# Altium PCB R2C2_Mini.PcbDoc (part 1 of 3) (continued)
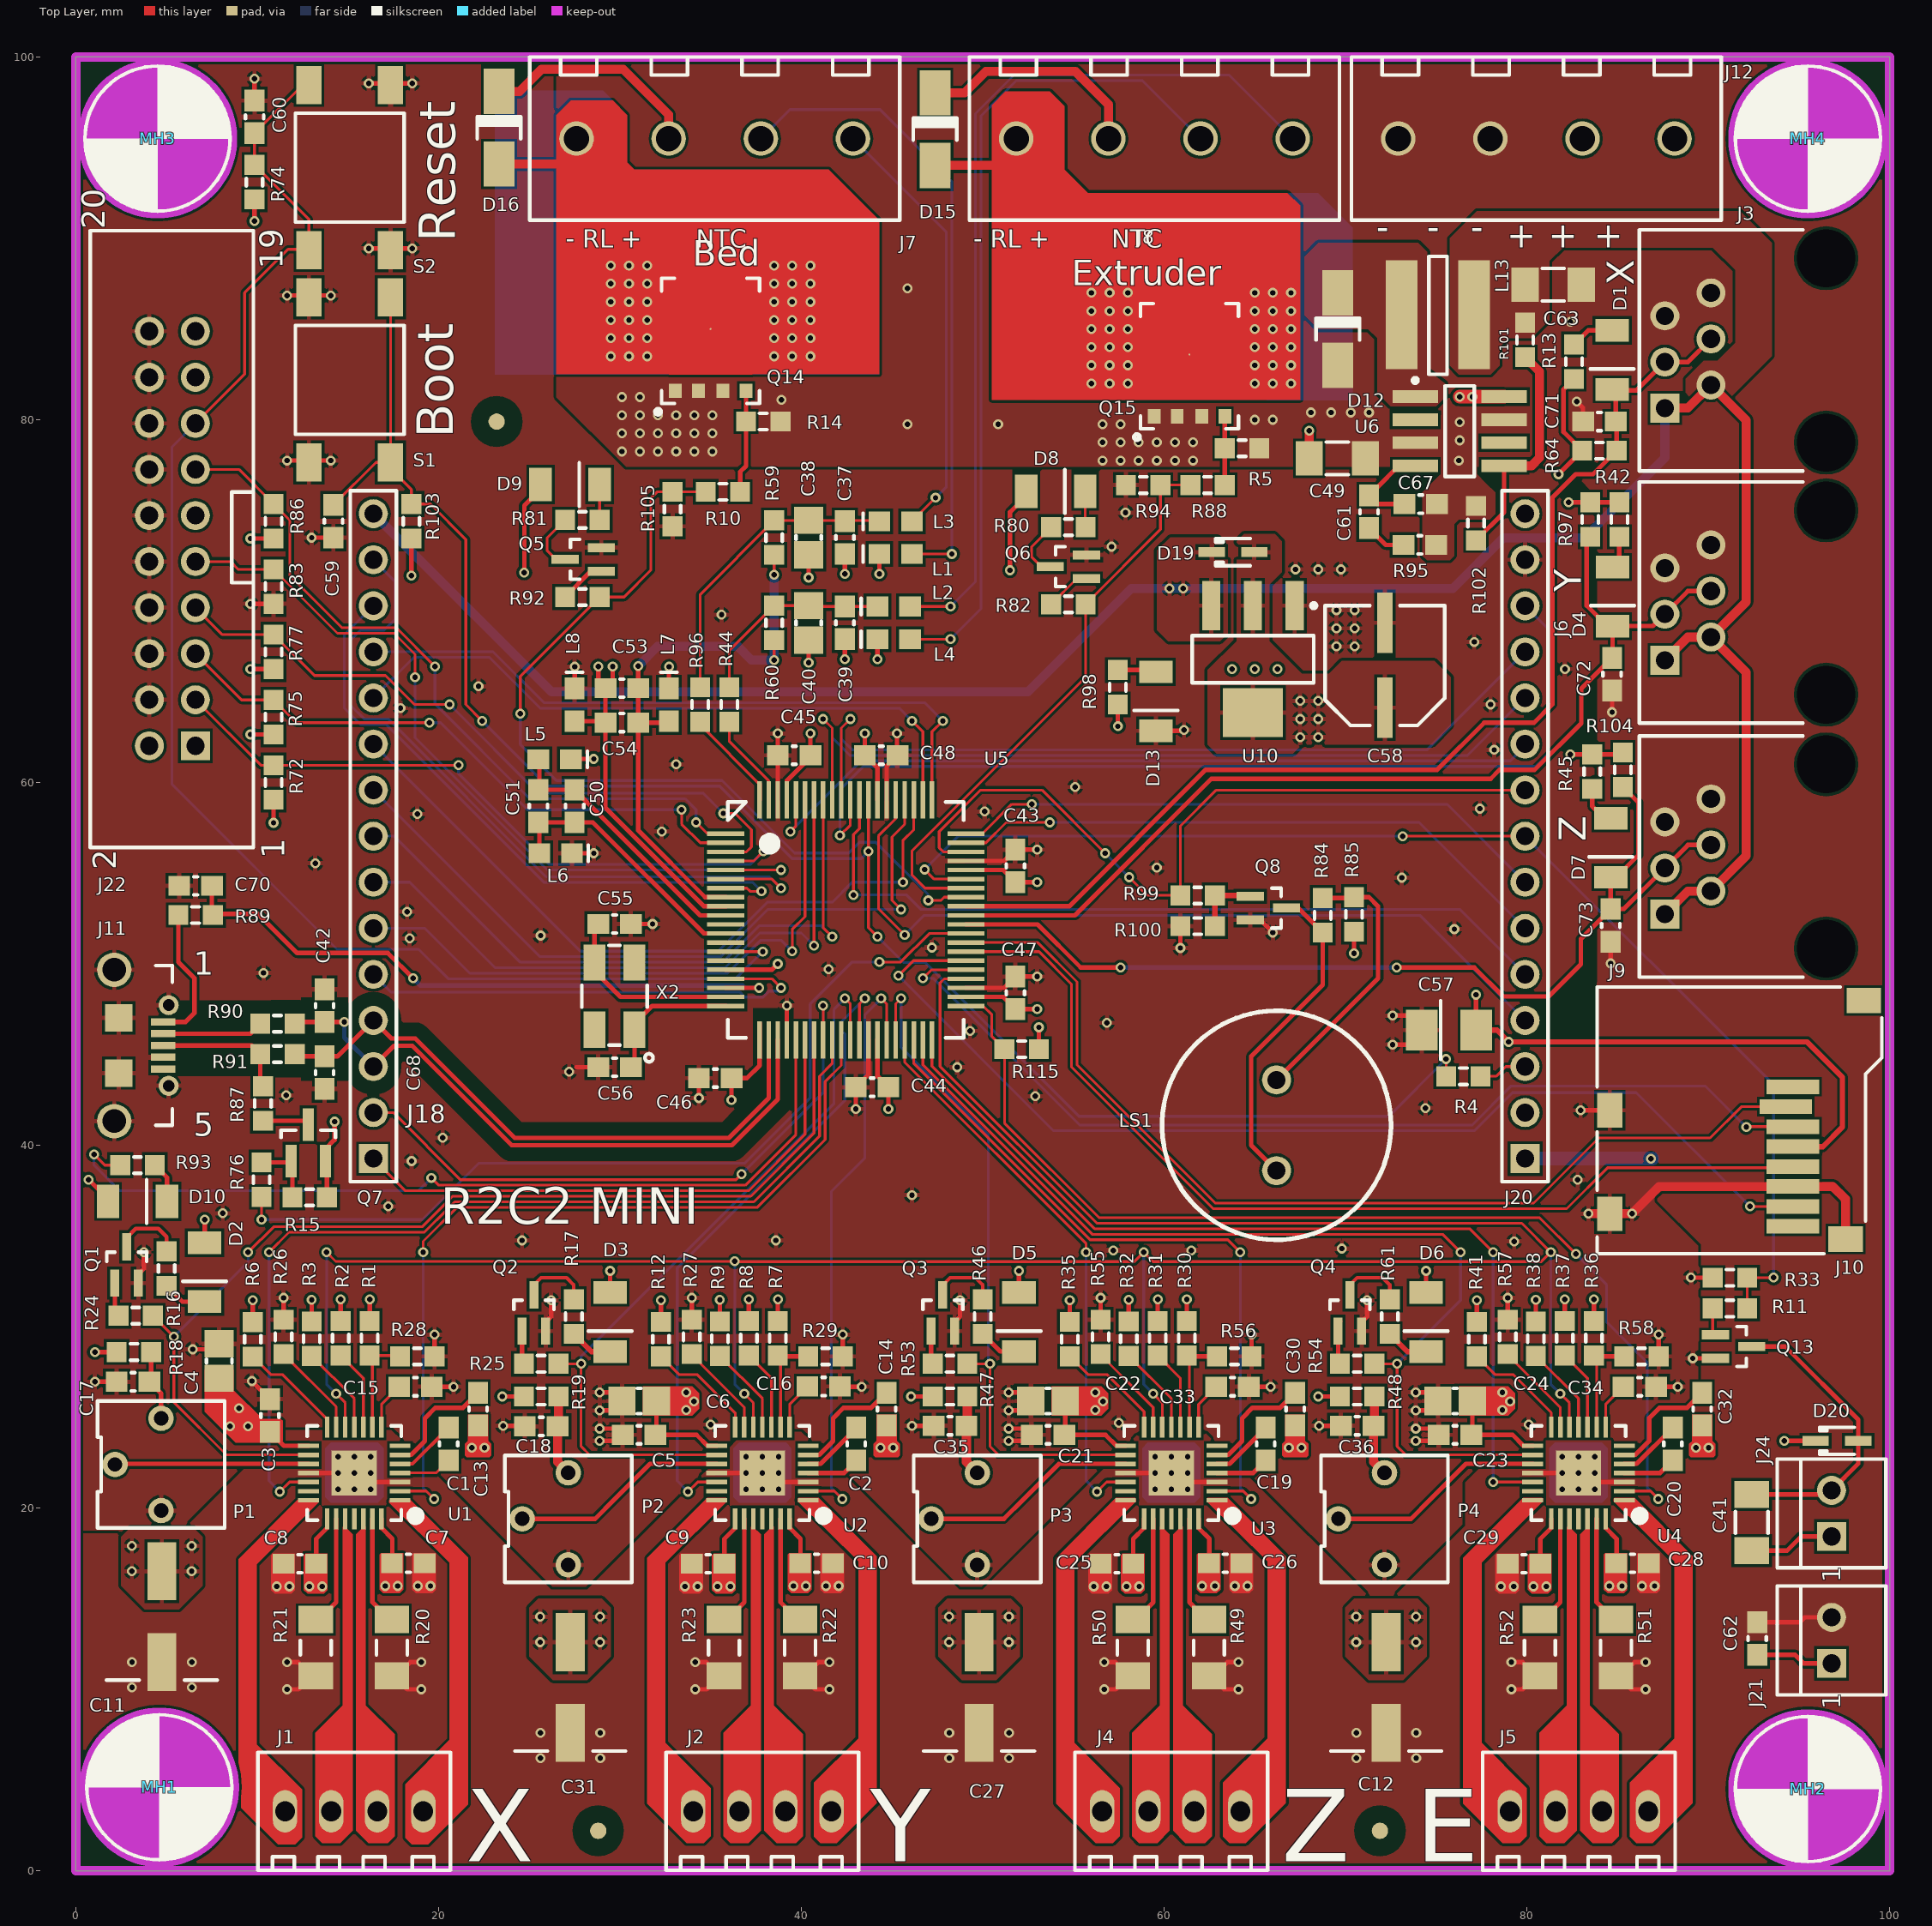
[diagram p0: Top Layer view]
## Design rules (kind name [scope] priority, off if disabled: settings)
AssemblyTestPointUsage [All] p1 off:
AssemblyTestpoint [All] p1 off: testpointundercomponent=TRUE minsize=1.016 maxsize=2.54 preferedsize=1.524 minholesize=0 maxholesize=1.016 preferedholesize=0.813 testpointgrid=0.025 usegrid=TRUE gridtolerance=0 allowsidetop=TRUE allowsidebottom=TRUE
Clearance Clearance_1 [InNamedPolygon('Bottom_GND_USB_exeption') vs InNet('GND')] p1 off: gap=0.152
Clearance Clearance_VMM3 [InNet('NetD15_2') vs InNet('GND')] p2 off: gap=0.4
Clearance Clearance_VMM2 [InNet('NetD16_2') vs InNet('GND')] p3 off: gap=0.4
Clearance Clearance_3 [InNet('USB_D_P') vs (InNet('GND') AND OnLayer('Top Layer') AND (NOT (IsPad AND InNet('GND'))) AND (NOT(InNet('GND') AND IsTrack)))] p4: gap=0.76
Clearance Clearance_2 [InNet('USB_D_N') vs (InNet('GND') AND OnLayer('Top Layer') AND (NOT (IsPad AND InNet('GND'))) AND (NOT(InNet('GND') AND IsTrack)))] p5: gap=0.76
Clearance Clearance_VMM [InNet('VMM') vs (InNet('GND') AND (NOT (IsVia AND InNet('GND'))))] p6 off: gap=0.4
Clearance [All] p7: gap=0.152
ComponentClearance [All] p1 off: gap=0.254 collisioncheckmode=3 verticalgap=0.254 showdistances=FALSE
DiffPairsRouting DiffPair_USB2DiffPairsRouting [InDifferentialPair ('USB_D')] p1 off: maxlimit=0.25 minlimit=0.15 mostfreqgap=0.15 toplayer_minwidth=0.381 toplayer_maxwidth=0.381 toplayer_prefwidth=0.381 midlayer1_minwidth=0.381 midlayer1_maxwidth=0.381 midlayer1_prefwidth=0.381 midlayer2_minwidth=0.381 midlayer2_maxwidth=0.381 midlayer2_prefwidth=0.381 bottomlayer_minwidth=0.381 bottomlayer_maxwidth=0.381 bottomlayer_prefwidth=0.381 maxuncoupledlength=12.7
FabricationTestPointUsage [All] p1 off: valid=0 allowmultiple=FALSE
FabricationTestpoint [All] p1 off: side=3 testpointundercomponent=TRUE minsize=1.016 maxsize=2.54 preferedsize=1.524 minholesize=0 maxholesize=1.016 preferedholesize=0.813 testpointgrid=0.025 allowsidetop=TRUE allowsidebottom=TRUE usegrid=TRUE gridtolerance=0
FanoutControl Fanout_BGA [IsBGA] p1 off: bgadir=Out bgaviamode=Centered fanoutstyle=Auto fanoutdirection=Alternating viagrid=0.025 // Fanout_BGA (Default Rule)
FanoutControl Fanout_LCC [IsLCC] p2 off: bgadir=Out bgaviamode=Centered fanoutstyle=Auto fanoutdirection=Alternating viagrid=0.025 // Fanout_LCC (Default Rule)
FanoutControl Fanout_SOIC [IsSOIC] p3 off: bgadir=Out bgaviamode=Centered fanoutstyle=Auto fanoutdirection=Alternating viagrid=0.025 // Fanout_SOIC (Default Rule)
FanoutControl Fanout_Small [(CompPinCount < 5)] p4 off: bgadir=Out bgaviamode=Centered fanoutstyle=Auto fanoutdirection=OutThenIn viagrid=0.025 // Fanout_Small (Default Rule)
FanoutControl Fanout_Default [All] p5 off: bgadir=Out bgaviamode=Centered fanoutstyle=Auto fanoutdirection=Alternating viagrid=0.025 // Fanout_Default (Default Rule)
Height [All] p1 off: minheight=0 maxheight=30 prefheight=12.7
HoleSize [All] p1 off: absolutevalues=TRUE maxlimit=5.08 minlimit=0.4 maxpercent=80.000 minpercent=20.000
HoleToHoleClearance [All] p1: gap=0.125 allowstackedmicrovias=TRUE
LayerPairs [All] p1 off: enforce=TRUE
MatchedLengths DiffPair_USBMatchedLengths [InDifferentialPair ('USB_D')] p1 off: tolerance=2.54 checknetsindiffpair=TRUE checkdiffpairvsdiffpair=TRUE checkothers=TRUE
MaximumViaCount [All] p1 off: limit=300
MinimumAnnularRing [All] p1 off: minimumring=0.3
MinimumSolderMaskSliver [All] p1: minsoldermaskwidth=0.076
NetAntennae [All] p1 off: netantennaetolerance=0
NetsToIgnore [(InNet('V3.3') OR InNet('VA3.3') OR InNet('VMM'))] p1 off:
PlaneClearance [All] p1 off: clearance=0.508
PlaneConnect PlaneConnect_1 [All] p1: planeconnectstyle=Relief reliefexpansion=0.508 reliefentries=4 reliefconductorwidth=0.254 reliefairgap=0.254
PolygonConnect No_Thermal-relif [All vs (IsNamedPolygon('Bottom_GND_DCDC')  or IsNamedPolygon('top-5V') or IsNamedPolygon('top-D12') or IsNamedPolygon('Top-Star_GND') or IsNamedPolygon('mid-VMM'))] p1: connectstyle=Direct reliefconductorwidth=0.254 reliefentries=4 polygonreliefangle="90 Angle" airgapwidth=0.254 // Top-Star_GND
PolygonConnect PolygonConnect_2 [All vs IsNamedPolygon('Bottom_GND_DCDC')] p2 off: connectstyle=Direct reliefconductorwidth=0.254 reliefentries=4 polygonreliefangle="90 Angle" airgapwidth=0.254
PolygonConnect PolygonConnect_1 [All vs IsNamedPolygon('Bottom_GND_HeatSink')] p3 off: connectstyle=Direct reliefconductorwidth=0.254 reliefentries=4 polygonreliefangle="90 Angle" airgapwidth=0.254
PolygonConnect [All] p4 off: connectstyle=Relief reliefconductorwidth=0.254 reliefentries=4 polygonreliefangle="90 Angle" airgapwidth=0.254
RoutingCorners [All] p1 off: cornerstyle=45-Degree minsetback=2.54 maxsetback=2.54
RoutingLayers [All] p1 off: top layer_v5=TRUE mid layer 1_v5=TRUE mid layer 2_v5=TRUE bottom layer_v5=TRUE
RoutingPriority [All] p1 off: routingpriority=0
RoutingTopology [All] p1 off: topology=Shortest
RoutingVias [All] p1: holewidth=0.3 width=0.55 viastyle="Through Hole" minholewidth=0.3 minwidth=0.55 maxholewidth=1.6 maxwidth=2
SMDNeckDown [All] p1 off: percent=80.000
ShortCircuit [All] p1 off: allowed=FALSE
SilkToSilkClearance [All] p1 off: silktosilkclearance=0.254
SilkToSolderMaskClearance SilkscreenOverComponentPads [IsPad] p1 off: minsilkscreentomaskgap=0.254 clearancetoexposedcopper=TRUE
SolderMaskExpansion [All] p1: expansion=0.051
UnpouredPolygon [All] p1: allowunpoured=FALSE
Width DiffPair_Width [InDifferentialPair('USB_D')] p1 off: maxlimit=0.5 minlimit=0.24 preferedwidth=0.45
Width [All] p2: maxlimit=5 minlimit=0.152 preferedwidth=0.152 checkconnectedcopper=TRUE
3 further rules are at their usual default settings.

## Classes and differential pairs
component class Sheet_1: C1 C2 C3 C4 C5 C6 C7 C8 C9 C10 C11 C12 C13 C14 C15 C16 C17 C18 C19 C20 C21 C22 C23 C24 C25 C26 C27 C28 C29 C30 C31 C32 C33 C34 C35 C36 C37 C38 C39 C40 C62 C69 C71 C72 C73 D1 D2 D3 D4 D5 D6 D7 D8 D9 D14 D15 D16 D17 HS1 HS2 HS3 HS4 J1 J2 J3 J4 J5 J6 J7 J8 J9 J13 J14 J15 J17 J21 L1 L2 L3 L4 MH7 P1 P2 P3 P4 Q1 Q2 Q3 Q4 Q5 Q6 Q14 Q15 R1 R2 R3 R5 R6 R7 R8 R9 R10 R12 R13 R14 R16 R17 R18 R19 R20 R21 R22 R23 R24 R25 R26 R27 R28 R29 R30 R31 R32 R35 R36 R37 R38 R41 R42 R45 R46 R47 R48 R49 R50 R51 R52 R53 R54 R55 R56 R57 R58 R59 R60 R61 R64 R80 R81 R82 R88 R92 R94 R97 R104 R105 R106 R? U1 U2 U3 U4 U7 U8
component class Sheet_2: C41 C42 C43 C44 C45 C46 C47 C48 C49 C50 C51 C52 C53 C54 C55 C56 C57 C58 C59 C60 C61 C63 C67 C68 C70 D10 D12 D13 D19 D20 J10 J11 J12 J18 J20 J22 J23 J24 L5 L6 L7 L8 L13 LS1 MH1 MH2 MH3 MH4 MH5 MH6 Q7 Q8 Q13 R4 R11 R15 R33 R44 R72 R74 R75 R76 R77 R83 R84 R85 R86 R87 R89 R90 R91 R93 R95 R96 R98 R99 R100 R101 R102 R103 R115 R116 S1 S2 U5 U6 U10 X1 X2
differential pair USB_D: +USB_D_P -USB_D_N

## Components (designator, comment, footprint, x,y, rotation, side; value= is the part's Value field where it differs from the comment)
C1 "100nF" CAPC1608M 20.554,23.527 r270 top
C2 "100nF" CAPC1608M 43.025,23.527 r90 top
C3 "100nF" CAPC1608M 10.7,25.1 r270 top
C4 "10uF 6.3V" CAPC2012M 7.9,28.1 r270 top
C5 "100nF" CAPC1608M 31.055,24.033 r0 top
C6 "10uF 6.3V" CAPC2012M 31.055,25.9 r0 top
C7 "100nF" CAPC1608M 18.325,16.95 r0 top
C8 "100nF" CAPC1608M 12.35,16.925 r0 top
C9 "100nF" CAPC1608M 34.855,16.925 r0 top
C10 "100nF" CAPC1608M 40.83,16.95 r180 top
C11 "100uF 35V" CAPAE63X63MM 4.74,14.008 r270 top
C12 "100uF 35V" CAPAE63X63MM 72.245,10.1 r270 top
C13 "100nF" CAPC1608M 22.174,25.45 r270 top
C14 "100nF" CAPC1608M 44.7,25.45 r270 top
C15 "220nF" CAPC1608M 18.725,26.683 r180 top
C16 "220nF" CAPC1608M 41.23,26.7 r180 top
C17 "100nF" CAPC1608M 3.15,26.958 r0 top
C18 "100nF" CAPC1608M 25.655,24.5 r180 top
C19 "100nF" CAPC1608M 65.604,23.527 r270 top
C20 "100nF" CAPC1608M 88.049,23.527 r90 top
C21 "100nF" CAPC1608M 53.6,24.033 r0 top
C22 "10uF 6.3V" CAPC2012M 53.6,25.9 r0 top
C23 "100nF" CAPC1608M 76.045,24.033 r0 top
C24 "10uF 6.3V" CAPC2012M 76.045,25.9 r0 top
C25 "100nF" CAPC1608M 57.4,16.925 r0 top
C26 "100nF" CAPC1608M 63.375,16.95 r180 top
C27 "100uF 35V" CAPAE63X63MM 49.8,10.1 r270 top
C28 "100nF" CAPC1608M 85.82,16.95 r180 top
C29 "100nF" CAPC1608M 79.845,16.925 r0 top
C30 "100nF" CAPC1608M 67.224,25.45 r270 top
C31 "100uF 35V" CAPAE63X63MM 27.255,10.1 r270 top
C32 "100nF" CAPC1608M 89.669,25.45 r270 top
C33 "220nF" CAPC1608M 63.775,26.683 r180 top
C34 "220nF" CAPC1608M 86.22,26.683 r180 top
C35 "100nF" CAPC1608M 48.2,24.533 r0 top
C36 "100nF" CAPC1608M 70.645,24.533 r0 top
C37 "100nF" CAPC1608M 42.4,73.5 r90 top
C38 "10uF 6.3V" CAPC2012M 40.4,73.5 r90 top
C39 "100nF" CAPC1608M 42.4,68.8 r90 top
C40 "10uF 6.3V" CAPC2012M 40.4,68.8 r90 top
C41 "10uF 35V" CAPC3216M 92.4,19.2 r270 top
C42 "22pF" CAPC1608M 13.714,47.7 r270 top
C43 "100nF" CAPC1608M 51.8,55.4 r270 top
C44 "100nF" CAPC1608M 43.9,43.2 r0 top
C45 "100nF" CAPC1608M 39.6,61.5 r180 top
C46 "100nF" CAPC1608M 35.25,43.7 r180 top
C47 "100nF" CAPC1608M 51.8,48.4 r90 top
C48 "100nF" CAPC1608M 44.4,61.5 r0 top
C49 "100uF" CAPC3216M 69.55,77.875 r180 top
C50 "1nF" CAPC1608M 27.5,58.7 r90 top
C51 "10nF" CAPC1608M 25.5,58.7 r90 top
C53 "1nF" CAPC1608M 30.1,65.2 r0 top
C54 "10nF" CAPC1608M 30.1,63.3 r0 top
C55 "22pF" CAPC1608M 29.7,52.2 r0 top
C56 "22pF" CAPC1608M 29.7,44.3 r180 top
C57 "47uF 6.3V" TANT_NICHICON_B 75.702,46.348 r180 top
C58 "100uF 10V" CAPAE6666X54M 72.175,66.45 r90 top
C59 "100nF" CAPC1608M 14.2,74.4 r90 top
C60 "100nF" CAPC1608M 9.85,96.7 r270 top
C61 "22nF" CAPC1608M 71.3,74.925 r90 top
C62 "100nF" CAPC1608M 92.7,12.8 r270 top
C63 "100uF" CAPC3216M 81.45,87.45 r180 top
C67 "220pF" CAPC1608M 74.15,75.35 r180 top
C68 "22pF" CAPC1608M 13.714,44 r90 top
C70 "100nF" CAPC1608M 6.6,54.3 r0 top
C71 "10nF" CAPC1608M 84,79.9 r180 top
C72 "10nF" CAPC1608M 84.7,65.975 r270 top
C73 "10nF" CAPC1608M 84.625,52.125 r270 top
D1 "Green" LEDM_3216X12M 84.7,83.3 r90 top
D2 "Red" LEDM_3216X12M 7.1,33 r90 top
D3 "Red" LEDM_3216X12M 29.454,30.25 r90 top
D4 "Green" LEDM_3216X12M 84.727,70.25 r90 top
D5 "Red" LEDM_3216X12M 51.999,30.25 r90 top
D6 "Red" LEDM_3216X12M 74.444,30.25 r90 top
D7 "Green" LEDM_3216X12M 84.627,56.4 r90 top
D8 "Red" LEDM_3216X12M 54.025,76.05 r180 top
D9 "Red" LEDM_3216X12M 27.25,76.425 r180 top
D10 "Blue" LEDM_3216X12M 3.4,36.9 r180 top
D12 "25V@2A" SMB 69.575,85 r270 top
D13 "Orange" LEDM_3216X12M 59.55,64.475 r90 top
D15 "60V@1.5A" SMA 47.375,96.025 r270 top
D16 "60V@1.5A" SMA 23.325,96.1 r270 top
D19 "1A@30V" SOD323 63.8,72.7 r0 top
D20 "1A@30V" SOD323 97.1,23.7 r0 top
J1 "Con 4" TE_SCREW_1X4 15.345,3.275 r0 top
J2 "Con 4" TE_SCREW_1X4 37.85,3.275 r0 top
J3 "RJ11" MOLEX_95022-2667 92.055,83.82 r90 top locked
J4 "Con 4" TE_SCREW_1X4 60.395,3.275 r0 top
J5 "Con 4" TE_SCREW_1X4 82.875,3.275 r0 top
J6 "RJ11" MOLEX_95022-2667 92.055,69.92 r90 top locked
J7 "Con 4" TE_SCREW_282841-4 35.225,95.5 r180 top
J8 "Con 4" TE_SCREW_282841-4 59.47,95.5 r180 top
J9 "RJ11" MOLEX_95022-2667 92.055,55.92 r90 top locked
J10 "uSD" 3M_2900 91.575,41.4 r270 top
J11 "Con 4 USB" USB_47589-001 2.114,45.5 r270 top
J12 "Con 4" TE_SCREW_282841-4 80.525,95.5 r180 top
J18 "Con 15" HDR1X15 16.4,39.26 r90 top
J20 "Con 15" HDR1X15 79.9,39.26 r90 top
J21 "Con 2" MOLEX_22-29-2021 96.8,12.7 r90 top
J22 "2x10x2.54mm" HDR2X10 6.59,62.02 r90 top
J24 "Con 2" MOLEX_22-29-2021 96.8,19.7 r90 top
L1 "470R@100Mhz" INDC1608M 45.2,74.4 r0 top
L2 "470R@100Mhz" INDC1608M 45.1,69.7 r0 top
L3 "470R@100Mhz" INDC1608M 45.2,72.6 r0 top
L4 "470R@100Mhz" INDC1608M 45.1,67.9 r0 top
L5 "470R@100Mhz" INDC1608M 26.4,61.275 r180 top
L6 "470R@100Mhz" INDC1608M 26.455,56.1 r180 top
L7 "470R@100Mhz" INDC1608M 32.7,64.28 r270 top
L8 "470R@100Mhz" INDC1608M 27.5,64.28 r270 top
L13 "33uH 1.5Adc" INDP6X6 75.1,85.8 r0 top
LS1 "Buzzer" TDK_PS1240 66.2,41.1 r270 top
MH1 "MH" MH_M3 4.6,4.6 r0 top locked
MH2 "MH" MH_M3 95.5,4.5 r90 top locked
MH3 "MH" MH_M3 4.5,95.5 r90 top locked
MH4 "MH" MH_M3 95.5,95.5 r0 top locked
P1 "10K" TRIMMER_14 4.7,22.4 r270 top
P2 "10K" TRIMMER_14 27.15,19.4 r270 top
P3 "10K" TRIMMER_14 49.7,19.4 r270 top
P4 "10K" TRIMMER_14 72.15,19.4 r270 top
Q1 "N" SOT323-3AM 2.8,33.4 r90 top
Q2 "N" SOT323-3AM 25.254,30.75 r90 top
Q3 "N" SOT323-3AM 47.799,30.75 r90 top
Q4 "N" SOT323-3AM 70.244,30.75 r90 top
Q5 "N" SOT323-3AM 27.975,72.3 r180 top
Q6 "N" SOT323-3AM 54.725,71.9 r180 top
Q7 "P" SOT23-3M 12.814,40.125 r90 top
Q8 "N" SOT323-3AM 65.75,53.075 r0 top
Q13 "N" SOT323-3AM 91.4,28.9 r0 top
Q14 "N" SUPERSOP8_CSD17301 35,85 r270 top
Q15 "N" SUPERSOP8_CSD17301 61.4,83.6 r270 top
R1 "10K" RESC1608M 16.2,29.358 r90 top
R2 "10K" RESC1608M 14.6,29.358 r90 top
R3 "10K" RESC1608M 13,29.333 r90 top
R4 "1K5" RESC1608M 76.5,43.8 r0 top
R5 "33K" RESC1608M 64.3,78.425 r180 top
R6 "10K" RESC1608M 9.75,29.3 r90 top
R7 "10K" RESC1608M 38.705,29.358 r90 top
R8 "10K" RESC1608M 37.1,29.358 r90 top
R9 "10K" RESC1608M 35.505,29.333 r90 top
R10 "1k" RESC1608M 35.675,76.025 r0 top
R11 "100R" RESC1608M 91.2,31 r180 top
R12 "10K" RESC1608M 32.255,29.308 r90 top
R13 "274R" RESC1608M 82.6,83.2 r270 top
R14 "33K" RESC1608M 37.9,79.9 r180 top
R15 "1M" RESC1608M 12.889,37.125 r0 top
R16 "274R" RESC1608M 5,33.2 r270 top
R17 "274R" RESC1608M 27.454,30.55 r270 top
R18 "39K" RESC1608M 3.2,28.6 r180 top
R19 "39K" RESC1608M 25.654,26.15 r180 top
R20 "0R047" RESC3216M 17.425,12.3 r90 top
R21 "0R047" RESC3216M 13.225,12.3 r90 top
R22 "0R047" RESC3216M 39.93,12.3 r90 top
R23 "0R047" RESC3216M 35.73,12.3 r90 top
R24 "100K" RESC1608M 3.3,30.6 r0 top
R25 "100K" RESC1608M 25.654,27.95 r0 top
R26 "10K" RESC1608M 11.45,29.433 r270 top
R27 "10K" RESC1608M 33.955,29.433 r270 top
R28 "100K" RESC1608M 18.825,28.358 r180 top
R29 "100K" RESC1608M 41.33,28.358 r180 top
R30 "10K" RESC1608M 61.25,29.358 r90 top
R31 "10K" RESC1608M 59.65,29.358 r90 top
R32 "10K" RESC1608M 58.05,29.333 r90 top
R33 "10K" RESC1608M 91.2,32.7 r0 top
R35 "10K" RESC1608M 54.8,29.308 r90 top
R36 "10K" RESC1608M 83.695,29.358 r90 top
R37 "10K" RESC1608M 82.095,29.358 r90 top
R38 "10K" RESC1608M 80.495,29.333 r90 top
R41 "10K" RESC1608M 77.245,29.308 r90 top
R42 "274R" RESC1608M 85.1,74.5 r90 top
R44 "100R" RESC1608M 36.025,64.3 r270 top
R45 "274R" RESC1608M 83.6,60.6 r90 top
R46 "274R" RESC1608M 49.999,30.55 r270 top
R47 "39K" RESC1608M 48.199,26.15 r180 top
R48 "39K" RESC1608M 70.644,26.15 r180 top
R49 "0R047" RESC3216M 62.475,12.3 r90 top
R50 "0R047" RESC3216M 58.275,12.3 r90 top
R51 "0R047" RESC3216M 84.92,12.3 r90 top
R52 "0R047" RESC3216M 80.72,12.3 r90 top
R53 "100K" RESC1608M 48.199,27.95 r0 top
R54 "100K" RESC1608M 70.644,27.95 r0 top
R55 "10K" RESC1608M 56.5,29.433 r270 top
R56 "100K" RESC1608M 63.875,28.358 r180 top
R57 "10K" RESC1608M 78.945,29.433 r270 top
R58 "100K" RESC1608M 86.32,28.358 r180 top
R59 "10K" RESC1608M 38.5,73.5 r270 top
R60 "274R" RESC1608M 38.5,68.8 r270 top
R61 "274R" RESC1608M 72.444,30.55 r270 top
R64 "10K" RESC1608M 84,78.3 r180 top
R72 "10K" RESC1608M 10.9,60 r90 top
R74 "100K" RESC1608M 9.85,93.1 r270 top
R75 "10K" RESC1608M 10.9,63.6 r90 top
R76 "10K" RESC1608M 10.239,38.1 r270 top
R77 "10K" RESC1608M 10.9,67.2 r90 top
R80 "274R" RESC1608M 54.725,74.075 r0 top
R81 "274R" RESC1608M 27.925,74.475 r0 top
R82 "100K" RESC1608M 54.725,69.825 r0 top
R83 "10K" RESC1608M 10.9,70.8 r90 top
R84 "1K5" RESC1608M 68.75,52.675 r90 top
R85 "1K5" RESC1608M 70.475,52.725 r270 top
R86 "10K" RESC1608M 10.9,74.4 r90 top
R87 "1K5" RESC1608M 10.314,42.3 r270 top
R88 "1k" RESC1608M 62.4,76.4 r0 top
R89 "10K" RESC1608M 6.6,52.7 r0 top
R90 "33R" RESC1608M 11.114,46.7 r0 top
R91 "33R" RESC1608M 11.114,45.025 r0 top
R92 "100K" RESC1608M 27.925,70.225 r0 top
R93 "680R" RESC1608M 3.4,38.9 r0 top
R94 "10K" RESC1608M 58.85,76.4 r0 top
R95 "4K7" CAPC1608M 74.1,73.1 r180 top
R96 "100R" RESC1608M 34.425,64.3 r270 top
R97 "10K" RESC1608M 83.5,74.5 r90 top
R98 "680R" RESC1608M 57.45,65.25 r270 top
R99 "100K" RESC1608M 61.85,53.775 r0 top
R100 "1M" RESC1608M 61.85,52.075 r0 top
R101 "6k8 1%" RESC1608M 79.9,84.4 r90 top
R102 "2k2 1%" RESC1608M 77.2,74.3 r270 top
R103 "100K" RESC1608M 18.5,74.4 r270 top
R104 "10K" RESC1608M 85.3,60.7 r90 top
R105 "10K" RESC1608M 32.9,75.075 r90 top
R115 "10K" RESC1608M 52.15,45.3 r180 top
S1 "SW-PB" SW_FSM6JSMA 15.1,82.2 r90 top
S2 "SW-PB" SW_FSM6JSMA 15.1,93.9 r270 top
U1 "A4988" QFN50P500X500X100-28M#1 15.35,21.925 r180 top
U2 "A4988" QFN50P500X500X100-28M#1 37.85,21.925 r180 top
U3 "A4988" QFN50P500X500X100-28M#2 60.4,21.925 r180 top
U4 "A4988" QFN50P500X500X100-28M#1 82.85,21.925 r180 top
U5 "IC LPC175x" TSQFP50P1400X1400X160-80M 42.45,52.425 r0 top
U6 "IC L5970D" SOIC127P600-8M 76.3,79.365 r0 top
U10 "LDO" SOT223-4M 64.9,66.8 r270 top
X2 "12MHz" TXC_7B_12MHZ 29.7,48.219 r90 top

## Footprints (in the part's own frame and the unit in brackets; to place one, negate y for a bottom-side part, rotate by r counter-clockwise, add the part's x,y. Pads: shape width x height; smd on the part's side, far side on the other; paste and mask are expansions set on the pad)
3M_2900 [mm] "Connector; USB2.0, Type B, SM; 5 Position; Right Angle"
  rect 0.8x2.9 smd: 1(-1.825,3.1) 2(-0.725,2.7) 3(0.375,3.1) 4(1.475,3.1) 5(2.575,3.1) 6(3.675,3.1) 7(4.775,3.1) 8(5.875,3.1)
  rect 1.4x1.9 smd: 9(-6.575,7) 9(6.575,6)
  rect 1.9x1.4 smd: 9(-0.525,-7) 9(5.175,-7)
  silkscreen extent -7.32,-7.7 7.38,8, body extent -7.58,-7.95 7.63,8.25, height 1.73
CAPAE63X63MM [mm] "Capacitors, Aluminum Electrolytic, 2-Leads, Body 6.3x6.3mm, IPC Low Density"
  rect 3.2x1.6 smd: 1(-2.5,0) 2(2.5,0)
  silkscreen extent 3.5,-3.05 3.5,3.05, body extent -4.4,-3.6 4.4,3.6, height 7.7
CAPAE6666X54M [mm] "SMT Aluminum Electrolytic Capacitor, 2-Leads, Body 6.6x6.6x5.4mm, IPC Low Density"
  rect 3.35x0.85 smd: 1(-2.325,0) 2(2.355,0)
  Top Layer lines w0.8: 1.25,0 2.355,0
  silkscreen extent -3.3,-3.3 3.3,3.3, body extent -4.25,-3.55 4.28,3.55, height 5.4
CAPC1608M [mm] "Chip Capacitor, Body 1.6x0.8mm, IPC Low Density"
  rect 1.2x1.1 smd: 1(-0.9,0) 2(0.9,0)
  silkscreen extent -0.1,-0.5 0.1,0.5, body extent -1.75,-0.8 1.75,0.8, height 0.85
CAPC2012M [mm] "Chip Capacitor, Body 2.0x1.3mm, IPC Low Density"
  rect 1.5x1.6 smd: 1(-0.95,0) 2(0.95,0)
  silkscreen extent -0.1,-0.7 0.1,0.7, body extent -1.95,-1.05 1.95,1.02, height 1.1
CAPC3216M [mm] "Chip Capacitor, Body 3.2x1.6mm, IPC Low Density"
  rect 1.5x1.9 smd: 1(-1.55,0) 2(1.55,0)
  silkscreen extent -0.6,-0.9 0.6,0.9, body extent -2.55,-1.2 2.55,1.2, height 1.35
HDR1X15 [mm] "Connector; Header; 15 Position"
  rect 1.6x1.6 hole 1: 1(0,0)
  round 1.6 hole 1: 2(2.54,0) 3(5.08,0) 4(7.62,0) 5(10.16,0) 6(12.7,0) 7(15.24,0) 8(17.78,0) 9(20.32,0) 10(22.86,0) 11(25.4,0) 12(27.94,0) 13(30.48,0) 14(33.02,0) 15(35.56,0)
  silkscreen extent -1.27,-1.27 36.83,1.27
HDR2X10 [mm] "Connector; Header; 10x2 Position"
  rect 1.6x1.6 hole 1: 1(0,0)
  round 1.6 hole 1: 2(0,2.54) 3(2.54,0) 4(2.54,2.54) 5(5.08,0) 6(5.08,2.54) 7(7.62,0) 8(7.62,2.54) 9(10.16,0) 10(10.16,2.54) 11(12.7,0) 12(12.7,2.54) 13(15.24,0) 14(15.24,2.54) 15(17.78,0) 16(17.78,2.54) 17(20.32,0) 18(20.32,2.54) 19(22.86,0) 20(22.86,2.54)
  silkscreen extent -5.6,-3.2 28.4,5.8, body extent -5.6,-3.23 28.4,5.77, height 10
INDC1608M [mm] "Chip Inductor, Body 1.6x0.8mm, IPC Low Density"
  rect 1.2x1.1 smd: 1(-0.9,0) 2(0.9,0)
  silkscreen extent -1.8,-0.45 -1.8,0.45, body extent -1.75,-0.8 1.75,0.8, height 0.71
INDP6X6 [mm] "Precision Wire Wound Inductor, 2-Leads, Body 6x6mm, IPC Low Density"
  rect 1.75x6 smd: 1(-2,0) 2(2,0)
  silkscreen extent -0.5,-3.3 0.5,3.2, body extent -3.25,-3.25 3.25,3.25, height 4.5
LEDM_3216X12M [mm] "Led Chip(1206) 2 Leads, Body 3,2x1,6mm, IPC Low Density"
  rect 1.25x1.85 smd: 1(-1.625,0) 2(1.625,0)
  silkscreen extent -0.5,-1.2 -0.5,1.2, body extent -2.5,-1.15 2.5,1.17, height 1.2
MH_M3 [mm] "Mounting Hole"
  round 0 hole 3.5 unplated: 0(0,0)
  Keep-Out Layer circle w4.4: c0,0 r2.2
  silkscreen extent -4,-4 4,4
MOLEX_22-29-2021 [mm] "Connector - PCB; Header; SQ Pin, 2 way; 2.54mm; Vert"
  rect 1.6x1.6 hole 1: 1(-1.27,0)
  round 1.6 hole 1: 2(1.27,0)
  silkscreen extent -3,-3 3,3, body extent -2.75,-3.15 2.75,3.15, height 11.7
MOLEX_95022-2667 [mm] "Connector; PCB Jack, Thru-Hole; 1-Port, 6 Positions, 6 Loaded; Unshielded without Lightpipes; Vertical"
  rect 1.6x1.6 hole 1: 1(-3.175,4.445)
  round 1.6 hole 1: 2(-1.905,1.905) 3(-0.635,4.445) 4(0.635,1.905) 5(1.905,4.445) 6(3.175,1.905)
  round 2.95 hole 3.2 unplated: ""(-5.08,-4.445) ""(5.08,-4.445)
  silkscreen extent -6.65,-3.17 6.65,5.84, body extent -6.95,-11.05 6.95,6.15, height 11.7
QFN50P500X500X100-28M#1 [mm] "QFN, 28-Leads, Body 5,2x5,2mm (max), Pitch 0,50mm, IPC Low Density"
  rect 1.15x0.25 smd: 1(-2.525,1.5) 2(-2.525,1) 3(-2.525,0.5) 4(-2.525,0) 5(-2.525,-0.5) 6(-2.525,-1) 7(-2.525,-1.5) 15(2.525,-1.5) 16(2.525,-1) 17(2.525,-0.5) 18(2.525,0) 19(2.525,0.5) 20(2.525,1) 21(2.525,1.5)
  rect 0.25x1.15 smd: 8(-1.5,-2.525) 9(-1,-2.525) 10(-0.5,-2.525) 11(0,-2.525) 12(0.5,-2.525) 13(1,-2.525) 14(1.5,-2.525) 22(1.5,2.525) 23(1,2.525) 24(0.5,2.525) 25(0,2.525) 26(-0.5,2.525) 27(-1,2.525) 28(-1.5,2.525)
  rect 2.5x2.5 smd: 29(0,0)
  silkscreen extent -3.62,-2.6 2.6,2.61, body extent -3.35,-3.35 3.35,3.35, height 1
QFN50P500X500X100-28M#2 [mm] "QFN, 28-Leads, Body 5,2x5,2mm (max), Pitch 0,50mm, IPC Low Density"
  rect 1.15x0.25 smd: 1(-2.525,1.5) 2(-2.525,1) 3(-2.525,0.5) 4(-2.525,0) 5(-2.525,-0.5) 6(-2.525,-1) 7(-2.525,-1.5) 15(2.525,-1.5) 16(2.525,-1) 17(2.525,-0.5) 19(2.525,0.5) 20(2.525,1) 21(2.525,1.5)
  rect 0.25x1.15 smd: 8(-1.5,-2.525) 9(-1,-2.525) 10(-0.5,-2.525) 11(0,-2.525) 12(0.5,-2.525) 13(1,-2.525) 14(1.5,-2.525) 22(1.5,2.525) 23(1,2.525) 24(0.5,2.525) 25(0,2.525) 26(-0.5,2.525) 27(-1,2.525) 28(-1.5,2.525)
  rect 1.15x0.25 smd paste+0: 18(2.525,0)
  rect 2.5x2.5 smd: 29(0,0)
  silkscreen extent -3.62,-2.6 2.6,2.61, body extent -3.35,-3.35 3.35,3.35, height 1
RESC1608M [mm] "Chip Resistor, Body 1.6x0.8mm, IPC Low Density"
  rect 1.1x1.1 smd: 1(-0.95,0) 2(0.95,0)
  silkscreen extent -0.2,-0.45 0.2,0.45, body extent -1.75,-0.82 1.8,0.78, height 0.6
RESC3216M [mm] "Chip Resistor, Body 3.2x1.6mm, IPC Low Density"
  rect 1.5x1.9 smd: 1(-1.55,0) 2(1.55,0)
  silkscreen extent -0.4,-0.85 0.4,0.85, body extent -2.55,-1.2 2.55,1.2, height 0.71
SMA [mm]
  rect 2.5x1.7 smd: 1(-2,0) 2(2,0)
  silkscreen extent -0.6,-1.2 0.6,1.2, body extent -3.5,-1.1 3.5,1.1, height 1.2
SMB [mm]
  rect 2.5x1.7 smd: 1(-2,0) 2(2,0)
  silkscreen extent -0.6,-1.2 0.6,1.2, body extent -3.5,-2.23 3.5,2.23, height 2.45
SOD323 [mm] "SOD-323/SC-76; 2 Leads; Body 1.7 x 1.3 mm, (LxW)"
  rect 1.45x0.55 smd: 1(-1.175,0) 2(1.175,0)
  silkscreen extent -0.95,-0.75 0.95,0.75
SOIC127P600-8M [mm] "SOIC, 8-Leads, Body 4.9x3.9mm, Pitch 1.27mm, IPC Low Density"
  rect 2.5x0.7 smd: 1(-2.45,1.905) 2(-2.45,0.635) 3(-2.45,-0.635) 4(-2.45,-1.905) 5(2.45,-1.905) 6(2.45,-0.635) 7(2.45,0.635) 8(2.45,1.905)
  silkscreen extent -2.57,-2.5 0.8,2.93, body extent -3.95,-2.75 3.95,2.75, height 1.75
SOT23-3M [mm] "SOT23, 3-Leads, Body 2.9x1.3mm, Pitch 0.95mm, Lead Span 2.5mm, IPC Low Density"
  rect 1.8x0.6 smd: 1(-1,0.95) 2(-1,-0.95) 3(1,0)
  silkscreen extent 0.3,-1.5 0.7,1.5, body extent -2.15,-1.75 2.18,1.75, height 1.1
SOT223-4M [mm] "SOT223, 4-Leads, Body 6.5x3.5mm, Pitch 2.3mm, Lead Span 7mm, IPC Low Density"
  rect 2.7x1 smd: 1(-2.95,2.3) 2(-2.95,0) 3(-2.95,-2.3)
  rect 2.7x3.3 smd: 2(2.95,0)
  silkscreen extent -3.07,-3.35 1.3,3.48, body extent -4.58,-3.6 4.55,3.6, height 1.8
SOT323-3AM [mm] "SOT323, 3-Leads, Body 2.0x1.3mm, Pitch 0.65mm, Lead Span 2.1mm, IPC Low Density"
  rect 1.5x0.5 smd: 1(-1,0.65) 2(-1,-0.65) 3(1,0)
  silkscreen extent 0.2,-1.1 0.7,1.1, body extent -2,-1.35 2,1.3, height 1
SUPERSOP8_CSD17301 [mm] "sop switching fet"
  round 0.1 smd: D(0,0)
  rect 0.8x0.7 smd: G(3.405,1.95) S(3.405,-1.95) S(3.405,-0.68) S(3.405,0.68)
  Top Layer region: 2.5,2.3 -2.5,2.3 -2.5,1.6 -1.8,1.6 -1.8,0.9 -2.5,0.9 -2.5,0.2 -1.8,0.2 -1.8,-0.5 -2.5,-0.5 -2.5,-1.2 -1.8,-1.2 -1.8,-1.8 -2.5,-1.8 -2.5,-2.3 2.5,-2.3
  silkscreen extent -2.8,-3.04 4.7,2.7, body extent -2.75,-2.7 4.05,2.7, height 1
SW_FSM6JSMA [mm]
  rect 2.1x1.4 smd: 1(-4.55,2.25) 2(4.55,2.25) 3(-4.55,-2.25) 4(4.55,-2.25)
  silkscreen extent -3,-3 3,3, body extent -5.85,-3.25 5.85,3.25, height 7
TANT_NICHICON_B [mm] "nichicon size B tantalium cap"
  rect 1.75x2.25 smd: 1(-1.5,0) 2(1.5,0)
  silkscreen extent 0.45,-1.63 0.45,1.63, body extent -2.63,-1.65 2.63,1.65, height 1.9
TDK_PS1240 [mm]
  round 1.6 hole 1 paste+0: 1(-2.5,0) 2(2.5,0)
  silkscreen extent -6.31,-6.31 6.31,6.31, body extent -6.6,-6.5 6.35,6.47, height 6.5
TE_SCREW_1X4 [mm] "wire to board screw terminal rated at 10A/terminal"
  oval 1.35x2.35 hole 1.1: 1(-3.81,0) 2(-1.27,0) 3(1.27,0) 4(3.81,0)
  silkscreen extent -5.31,-3.25 5.31,3.25, body extent -5.55,-3.5 5.55,3.5, height 10
TE_SCREW_282841-4 [mm] "wire to board screw terminal rated at 10A/terminal"
  round 1.9 hole 1.4: 1(-7.62,0) 2(-2.54,0) 3(2.54,0) 4(7.62,0)
  silkscreen extent -10.2,-4.5 10.2,4.5, body extent -10.5,-4.8 10.5,4.8, height 15.2
TRIMMER_14 [mm]
  round 1.4 hole 0.8: 1(-2.54,0) 2(0,-2.54) 3(2.54,0)
  silkscreen extent -3.5,-3.5 3.5,3.5, body extent -3.75,-3.75 3.75,3.75, height 5.8
TSQFP50P1400X1400X160-80M [mm] "TSQFP, 80-Leads, Body 14,1x14,1mm (max), Pitch 0,50mm, IPC Low Density"
  rect 2.05x0.25 smd: 1(-6.625,4.75) 2(-6.625,4.25) 3(-6.625,3.75) 4(-6.625,3.25) 5(-6.625,2.75) 6(-6.625,2.25) 7(-6.625,1.75) 8(-6.625,1.25) 9(-6.625,0.75) 10(-6.625,0.25) 11(-6.625,-0.25) 12(-6.625,-0.75) 13(-6.625,-1.25) 14(-6.625,-1.75) 15(-6.625,-2.25) 16(-6.625,-2.75) 17(-6.625,-3.25) 18(-6.625,-3.75) 19(-6.625,-4.25) 20(-6.625,-4.75) 41(6.625,-4.75) 42(6.625,-4.25) 43(6.625,-3.75) 44(6.625,-3.25) 45(6.625,-2.75) 46(6.625,-2.25) 47(6.625,-1.75) 48(6.625,-1.25) 49(6.625,-0.75) 50(6.625,-0.25) 51(6.625,0.25) 52(6.625,0.75) 53(6.625,1.25) 54(6.625,1.75) 55(6.625,2.25) 56(6.625,2.75) 57(6.625,3.25) 58(6.625,3.75) 59(6.625,4.25) 60(6.625,4.75)
  rect 0.25x2.05 smd: 21(-4.75,-6.625) 22(-4.25,-6.625) 23(-3.75,-6.625) 24(-3.25,-6.625) 25(-2.75,-6.625) 26(-2.25,-6.625) 27(-1.75,-6.625) 28(-1.25,-6.625) 29(-0.75,-6.625) 30(-0.25,-6.625) 31(0.25,-6.625) 32(0.75,-6.625) 33(1.25,-6.625) 34(1.75,-6.625) 35(2.25,-6.625) 36(2.75,-6.625) 37(3.25,-6.625) 38(3.75,-6.625) 39(4.25,-6.625) 40(4.75,-6.625) 61(4.75,6.625) 62(4.25,6.625) 63(3.75,6.625) 64(3.25,6.625) 65(2.75,6.625) 66(2.25,6.625) 67(1.75,6.625) 68(1.25,6.625) 69(0.75,6.625) 70(0.25,6.625) 71(-0.25,6.625) 72(-0.75,6.625) 73(-1.25,6.625) 74(-1.75,6.625) 75(-2.25,6.625) 76(-2.75,6.625) 77(-3.25,6.625) 78(-3.75,6.625) 79(-4.25,6.625) 80(-4.75,6.625)
  silkscreen extent -6.5,-6.5 6.5,6.5, body extent -7.9,-7.9 7.9,7.9, height 1.6
TXC_7B_12MHZ [mm] "12 MHZ mini smd crystal"
  rect 2x1.2 smd paste+0: 1(-1.85,-1.1) 2(1.85,-1.1) 3(1.85,1.1) 4(-1.85,1.1)
  silkscreen extent -3.62,-2.12 2.8,1.8, body extent -3.1,-1.95 3.1,1.95, height 0.9
USB_47589-001 [mm] "micro USB AB Molex 47589"
  rect 0.4x1.35 smd paste+0: 1(-1.3,2.7) 2(-0.65,2.7) 3(0,2.7) 4(0.65,2.7) 5(1.3,2.7)
  round 1.9 hole 1.3: 5(-4.175,0) 5(4.175,0)
  round 1.1 hole 0.65: 5(-2.225,3) 5(2.225,3)
  rect 1.5x1.5 smd: 5(-1.524,0.254) 5(1.524,0.254)
  silkscreen extent -4.4,2.3 4.4,3.2, body extent -5.38,-1.7 5.38,3.8, height 3

## Part data
C1 C3 C5 C7 C8 C9 C10 C13 C14 C17 C18 C19 C21 C23 C25 C26 C28 C29 C30 C32 C35 C36 C37 C39 C43 C44 C45 C46 C47 C48 C49 C59 C60 C62 C63 C70: library part 10000054, "Capacitor - MLCC; 0603; NP0; 50V"
C2 C20: library part 10000054, "Capacitor Non Polarized"
C4 C6 C22 C24 C38 C40: library part 10000001, "Capacitor - MLCC; 0805; Y5V; 10UF; 6.3V"
C11 C12 C27 C31: library part 10000069, "Capacitor - Al. Electrolytic; 100UF; 35V"
C15 C16 C33 C34: library part 10000059, "Capacitor - MLCC; 0603; NP0; 50V"
C41: library part 10000002, "Capacitor - MLCC; 10uF; 35V;"
C42 C55 C56 C68: library part 10000056, "Capacitor - MLCC; 0603; NP0; 50V"
C50 C53: library part 10000058, "Capacitor - MLCC; 0603; NP0; 50V"
C51 C54 C71 C72 C73: library part 10000057, "Capacitor - MLCC; 0603; NP0; 50V"
C57: library part 10000005, "Capacitor - MLCC Y5V; 47UF; 6.3V"
C58: library part 10000086, "Capacitor - Al. Electrolytic; 100uF, 16V"
C61: library part 10000066, "Capacitor - MLCC; 0603; NP0; 50V"
C67: library part 10000055, "Capacitor - MLCC; 0603; NP0; 50V"
D1 D4 D7: library part 10000008, "Led - 1206; Green OSRAM"
D2 D3 D5 D6 D8 D9: library part 10000089, "Led - 1206; Red"
D10: library part 10000065, "Led - 1206; Blue OSRAM"
D12: library part 10000009, "Diode - Schottky; 25V; 2A"
D13: library part 10000007, "Led - 1206; Orange OSRAM"
D15 D16: library part 10000010, "Diode - Schottky; 1.5A; 60V"
D19 D20: library part 10000085, "Diode - Schottky; 30V; 1A;"
J1 J2 J4 J5 J7 J8 J12: library part 10000023, "Connector - Header male; Screw; 4way; Hor."
J3 J6 J9: library part 10000062, "Connector - PCB; RJ11; 6/4 Low Profile; Hor."
J10: library part 10000029, "Connector - MicroSD Card 8pin; PCB; Gold"
J18 J20: library part 10000067, "Connector - Header 15x1"
J21 J24: library part 10000097, "Connector - PCB; Header; SQ Pin, 2 way; 2.54mm; Vert"
J22: library part 10000064, "Connector - PCB; Male Receptacle; 2.54mm; 2way; Vert."
L1 L2 L3 L4 L5 L6 L7 L8: library part 10000032, "Ferrite Bead - 470OHM; 0603"
L13: library part 10000081, "Inductor - 33uH; Isat=2.9A; In=1.5A"
LS1: library part 10000068, "Buzzer - Piezo; 70dB; Diam.17mm"
MH1 MH2 MH3 MH4: library part 1000000, "PCB Symbol - Mounting Hole M3"
P1 P2 P3 P4: library part 10000092, "Resistor - Trimmer; 1/4\"; 10K"
Q1 Q2 Q3 Q4 Q5 Q6 Q8 Q13 Q14 Q15: library part 10000039, "Mosfet - N; 60V; 0.3A;"
Q7: library part 10000076, "Mosfet - Power; Vdss=-30v; Rds=0.60; Id=-0.6A"
R1 R2 R3 R5 R6 R7 R8 R9 R12 R14 R26 R27 R30 R31 R32 R33 R35 R36 R37 R38 R41 R55 R57 R64 R72 R75 R76 R77 R83 R86 R89 R94 R97 R104 R105 R115: library part 10000044, "Resistor - 0603; 0.063W; 1%"
R4: library part 10000048, "Resistor"
R10 R11 R44 R88 R96: library part 10000042, "Resistor - 0603; 0.063W; 1%"
R13 R16 R17 R42 R45 R46 R61 R80 R81: library part 10000041, "Resistor - 0603; 0.063W; 1%"
R15 R100: library part 10000049, "Resistor - 0603; 0.063W; 1%"
R18 R19 R47 R48: library part 10000087, "Resistor - 0603; 0.063W; 1%"
R20 R21 R22 R23 R49 R50 R51 R52: library part 10000047, "Resistor - 1206; 0.5W; 1%"
R24 R25 R28 R29 R53 R54 R56 R58 R74 R82 R92 R99 R103: library part 10000045, "Resistor - 0603; 0.063W; 1%"
R59: library part 10000044, "Resistor"
R60: library part 10000041, "Resistor"
R84 R85 R87: library part 10000048, "Resistor - 0603; 0.063W; 1%"
R90 R91: library part 10000053, "Resistor - 0603; 0.063W; 1%"
R93 R98: library part 10000061, "Resistor - 0603; 0.063W; 1%"
R95: library part 10000050, "Resistor - 0603; 0.063W; 1%"
R101: library part 10000080, "Resistor - 0603; 0.063W; 1%"
R102: library part 10000079, "Resistor - 0603; 0.063W; 1%"
S1 S2: library part 10000019, "Switch - Micro; Tactile; SPNO"
U1 U2 U3 U4: library part 10000094, "A4988 (A4983 pinout compatible)"
U5: library part 10000013, "IC - uController ARM Cortex-M3, 100MHz"
U6: library part 10000017, "IC - DC-DC Reg."
U10: library part 10000082, "IC - Fixed LDO Voltage Reg 3.3V 800mA"
X2: library part 10000040, "Crystal - 12.0MHz"

## Free pads (board coordinates)
  round 0.9 smd mask+0.95: ""(23.2,79.9) ""(28.8,2.2) ""(71.9,2.2)

## Via types
v1: diameter 0.55, hole 0.3, Top Layer to Bottom Layer, tented top, 513 vias
v2: diameter 0.55, hole 0.3, Top Layer to Bottom Layer, 36 vias

## Nets (pads, with @x,y where several pads share a name; then routed paths per layer and width w, separated by ;. In a path a pad name is that pad's centre, name@x,y a point inside that pad or via, vN(x,y) a via of type N, cw(c..) or ccw(c..) an arc to the next point about the centre after c; other vN are vias at no path point)
*BUSB: C59.2 R4.1 R103.1 S1.3 S1.4 U5.68 | length 100
  Top Layer w0.15: C59.2@14.2,75.3 16.55,77.65 17,77.65 18.5,76.15 R103.1@18.5,75.35 19.55,75.35 21.5,73.4 21.5,64.3 v1(22.4,63.4) ; S1.3@17.35,77.65 S1.4@17.35,86.75 ; U5.68@43.7,59.05 43.7,52 v1(44.2,51.5) ; R4.1@75.55,43.8 v1(75.55,44.75)
  Bottom Layer w0.15: v1(22.4,63.4) 26,59.8 35.5,59.8 39.495,55.805 43.305,55.805 v1(43.7,56.2) ; v1(44.2,51.5) 45.625,50.075 46.825,50.075 55.3,41.6 72.4,41.6 v1(75.55,44.75)
*RST: C60.2 J22.15 R74.1 S2.3 S2.4 U5.14 | length 84.7
  Top Layer w0.15: J22.15@6.59,79.8 9.3,82.51 9.3,87 11.7,89.4 12.8,89.4 12.85,89.45 12.85,91.05 R74.1@9.85,94.05 C60.2@9.85,95.8 12.6,98.55 S2.3@12.85,98.55 ; U5.14@35.825,50.675 v1(37.875,50.675)
  Bottom Layer w0.15: J22.15@6.59,79.8 5.3,78.51 5.3,59.9 14.396,50.804 18.896,50.804 20.524,49.176 36.376,49.176 v1(37.875,50.675)
*TRST: J22.3 R72.2 U5.4 | length 37.9
  Top Layer w0.15: J22.3@6.59,64.56 10.2,60.95 R72.2@10.9,60.95 v1(21.1,60.95) ; U5.4@35.825,55.675 37.375,55.675 v1(37.9,56.2)
  Bottom Layer w0.15: v1(21.1,60.95) 21.1,60.493 26.113,55.48 37.18,55.48 v1(37.9,56.2)
*USB_PPWR: J18.1 U5.26 | length 31
  Top Layer w0.15: J18.1@16.4,39.26 18.17,37.49 37.09,37.49 40.2,40.6 U5.26@40.2,45.8
CTC1: R82.2 R88.1 R94.2 U5.54 | length 32.1
  Top Layer w0.15: U5.54@49.075,54.175 46.825,54.175 46.1,54.9 46.1,56.231 55.675,65.806 R82.2@55.675,69.825 59.8,73.95 R94.2@59.8,76.4 R88.1@61.45,76.4
CTC1_NTC1: J8.1 L2.2 | length 49.8
  Top Layer w0.15: L2.2@46.025,69.7 v1(48.225,69.7)
  Bottom Layer w0.15: v1(48.225,69.7) 49.6,71.075 49.6,96.88 51.725,99.005 63.585,99.005 J8.1@67.09,95.5
CTC1_NTC2: J8.2 L4.2 | length 46
  Top Layer w0.15: L4.2@46.025,67.9 v1(48.225,67.9)
  Bottom Layer w0.15: v1(48.225,67.9) 49.905,69.58 49.905,96.754 51.851,98.7 58.81,98.7 J8.2@62.01,95.5
CTC2: R10.1 R92.2 R105.2 U5.53 | length 49.4
  Top Layer w0.15: v1(24.503,63.797) 24.503,65.853 R92.2@28.875,70.225 30.225,70.225 31.7,71.7 31.7,75.684 32.041,76.025 R105.2@32.9,76.025 R10.1@34.725,76.025 ; v1(47,53.5) 47.7,53.5 47.875,53.675 U5.53@49.075,53.675
  Bottom Layer w0.15: v1(24.503,63.797) 24.503,62.097 26.495,60.105 35.626,60.105 39.621,56.11 42.61,56.11 43.204,56.704 44.109,56.704 47,53.812 v1(47,53.5)
CTC2_NTC1: J7.1 L1.2 | length 24
  Top Layer w0.15: L1.2@46.1,74.4 v1(47.4,75.7)
  Bottom Layer w0.15: J7.1@42.845,95.5 47.995,90.35 47.995,76.295 v1(47.4,75.7)
CTC2_NTC2: J7.2 L3.2 | length 35.7
  Top Layer w0.15: L3.2@46.1,72.6 v1(48.3,72.6)
  Top Layer w0.25: L3.2@45.93,72.733 L3.2@46.012,72.733
  Bottom Layer w0.15: J7.2@37.765,95.5 39.365,97.1 44.339,97.1 48.3,93.139 48.3,72.8 48.4,72.7 v1(48.3,72.6)
DBG_RXD: J20.3 R4.2 | length 2.7
  Top Layer w0.15: R4.2@77.45,43.8 78.3,43.8 78.84,44.34 J20.3@79.9,44.34
DBG_TXD: J20.4 U5.65 | length 45.5
  Top Layer w0.15: U5.65@45.2,59.05 45.2,58 44.25,57.05 44.25,54.1 44.25,53.05 v1(45.7,51.6)
  Bottom Layer w0.15: v1(45.7,51.6) 46.775,52.675 74.105,52.675 J20.4@79.9,46.88
E1_MOTOR_1A: J5.2 U4.24
E1_MOTOR_1B: J5.1 U4.21
E1_MOTOR_2A: J5.3 U4.26
E1_MOTOR_2B: J5.4 U4.1
EXP_AD1_P1.31: J18.5 U5.17 | length 26.5
  Top Layer w0.15: U5.17@35.825,49.175 35.827,49.177 38.373,49.177 v1(38.875,48.675)
  Bottom Layer w0.15: J18.5@16.4,49.42 17.374,48.446 36.603,48.446 36.879,48.171 37.884,48.171 38.212,48.5 38.7,48.5 v1(38.875,48.675)
EXP_AD2_P0.25: J18.13 U5.7 | length 35.5
  Top Layer w0.15: U5.7@35.825,54.175 37,54.175 37.175,54 v1(37.8,54)
  Bottom Layer w0.15: J18.13@16.4,69.74 14.8,68.14 14.8,64.1 15.7,63.2 17.1,63.2 25.805,54.495 37.305,54.495 v1(37.8,54)
EXP_AD3_AOUT_P0.26: J18.14 U5.6 | length 41.5
  Top Layer w0.15: U5.6@35.825,54.675 38.375,54.675 v1(38.875,54.175)
  Bottom Layer w0.15: J18.14@16.4,72.28 17.6,71.08 17.6,69 17,68.4 15.7,68.4 15.13,67.83 15.13,64.27 15.895,63.505 17.226,63.505 25.931,54.8 38.25,54.8 v1(38.875,54.175)
EXP_IO1_P1.15: J20.5 U5.69 | length 44.2
  Top Layer w0.15: v1(42.875,53.8) 42.875,57.125 43.2,57.45 U5.69@43.2,59.05
  Bottom Layer w0.15: v1(42.875,53.8) 45.8,53.8 46.604,52.996 76.324,52.996 J20.5@79.9,49.42
EXP_IO2_P1.0: J20.10 U5.76 | length 44.4
  Top Layer w0.15: v1(39.4,57.3) 39.7,57.6 U5.76@39.7,59.05
  Bottom Layer w0.15: v1(39.4,57.3) 43.29,61.19 79.09,61.19 79.9,62 J20.10@79.9,62.12
EXP_IO3_P1.9: J20.11 U5.72 | length 45.9
  Top Layer w0.15: v1(41.2,63.5) 41.7,63 U5.72@41.7,59.05
  Bottom Layer w0.15: v1(41.2,63.5) 41.7,63 41.7,62.469 42.674,61.495 63.9,61.495 ; 64,61.495 63.9,61.495 ; J20.11@79.9,64.66 77.94,62.7 76.735,61.495 63.9,61.495
EXP_IO4_P1.10: J20.12 U5.71 | length 46.1
  Top Layer w0.15: U5.71@42.2,59.05 42.2,63 v1(42.7,63.5)
  Bottom Layer w0.15: v1(42.7,63.5) 42.2,63 42.2,62.4 42.8,61.8 74.5,61.8 75.802,63.102 J20.12@79.9,67.2